# Altium PCB ReboostV2.PcbDoc (part 2 of 2) (continued)
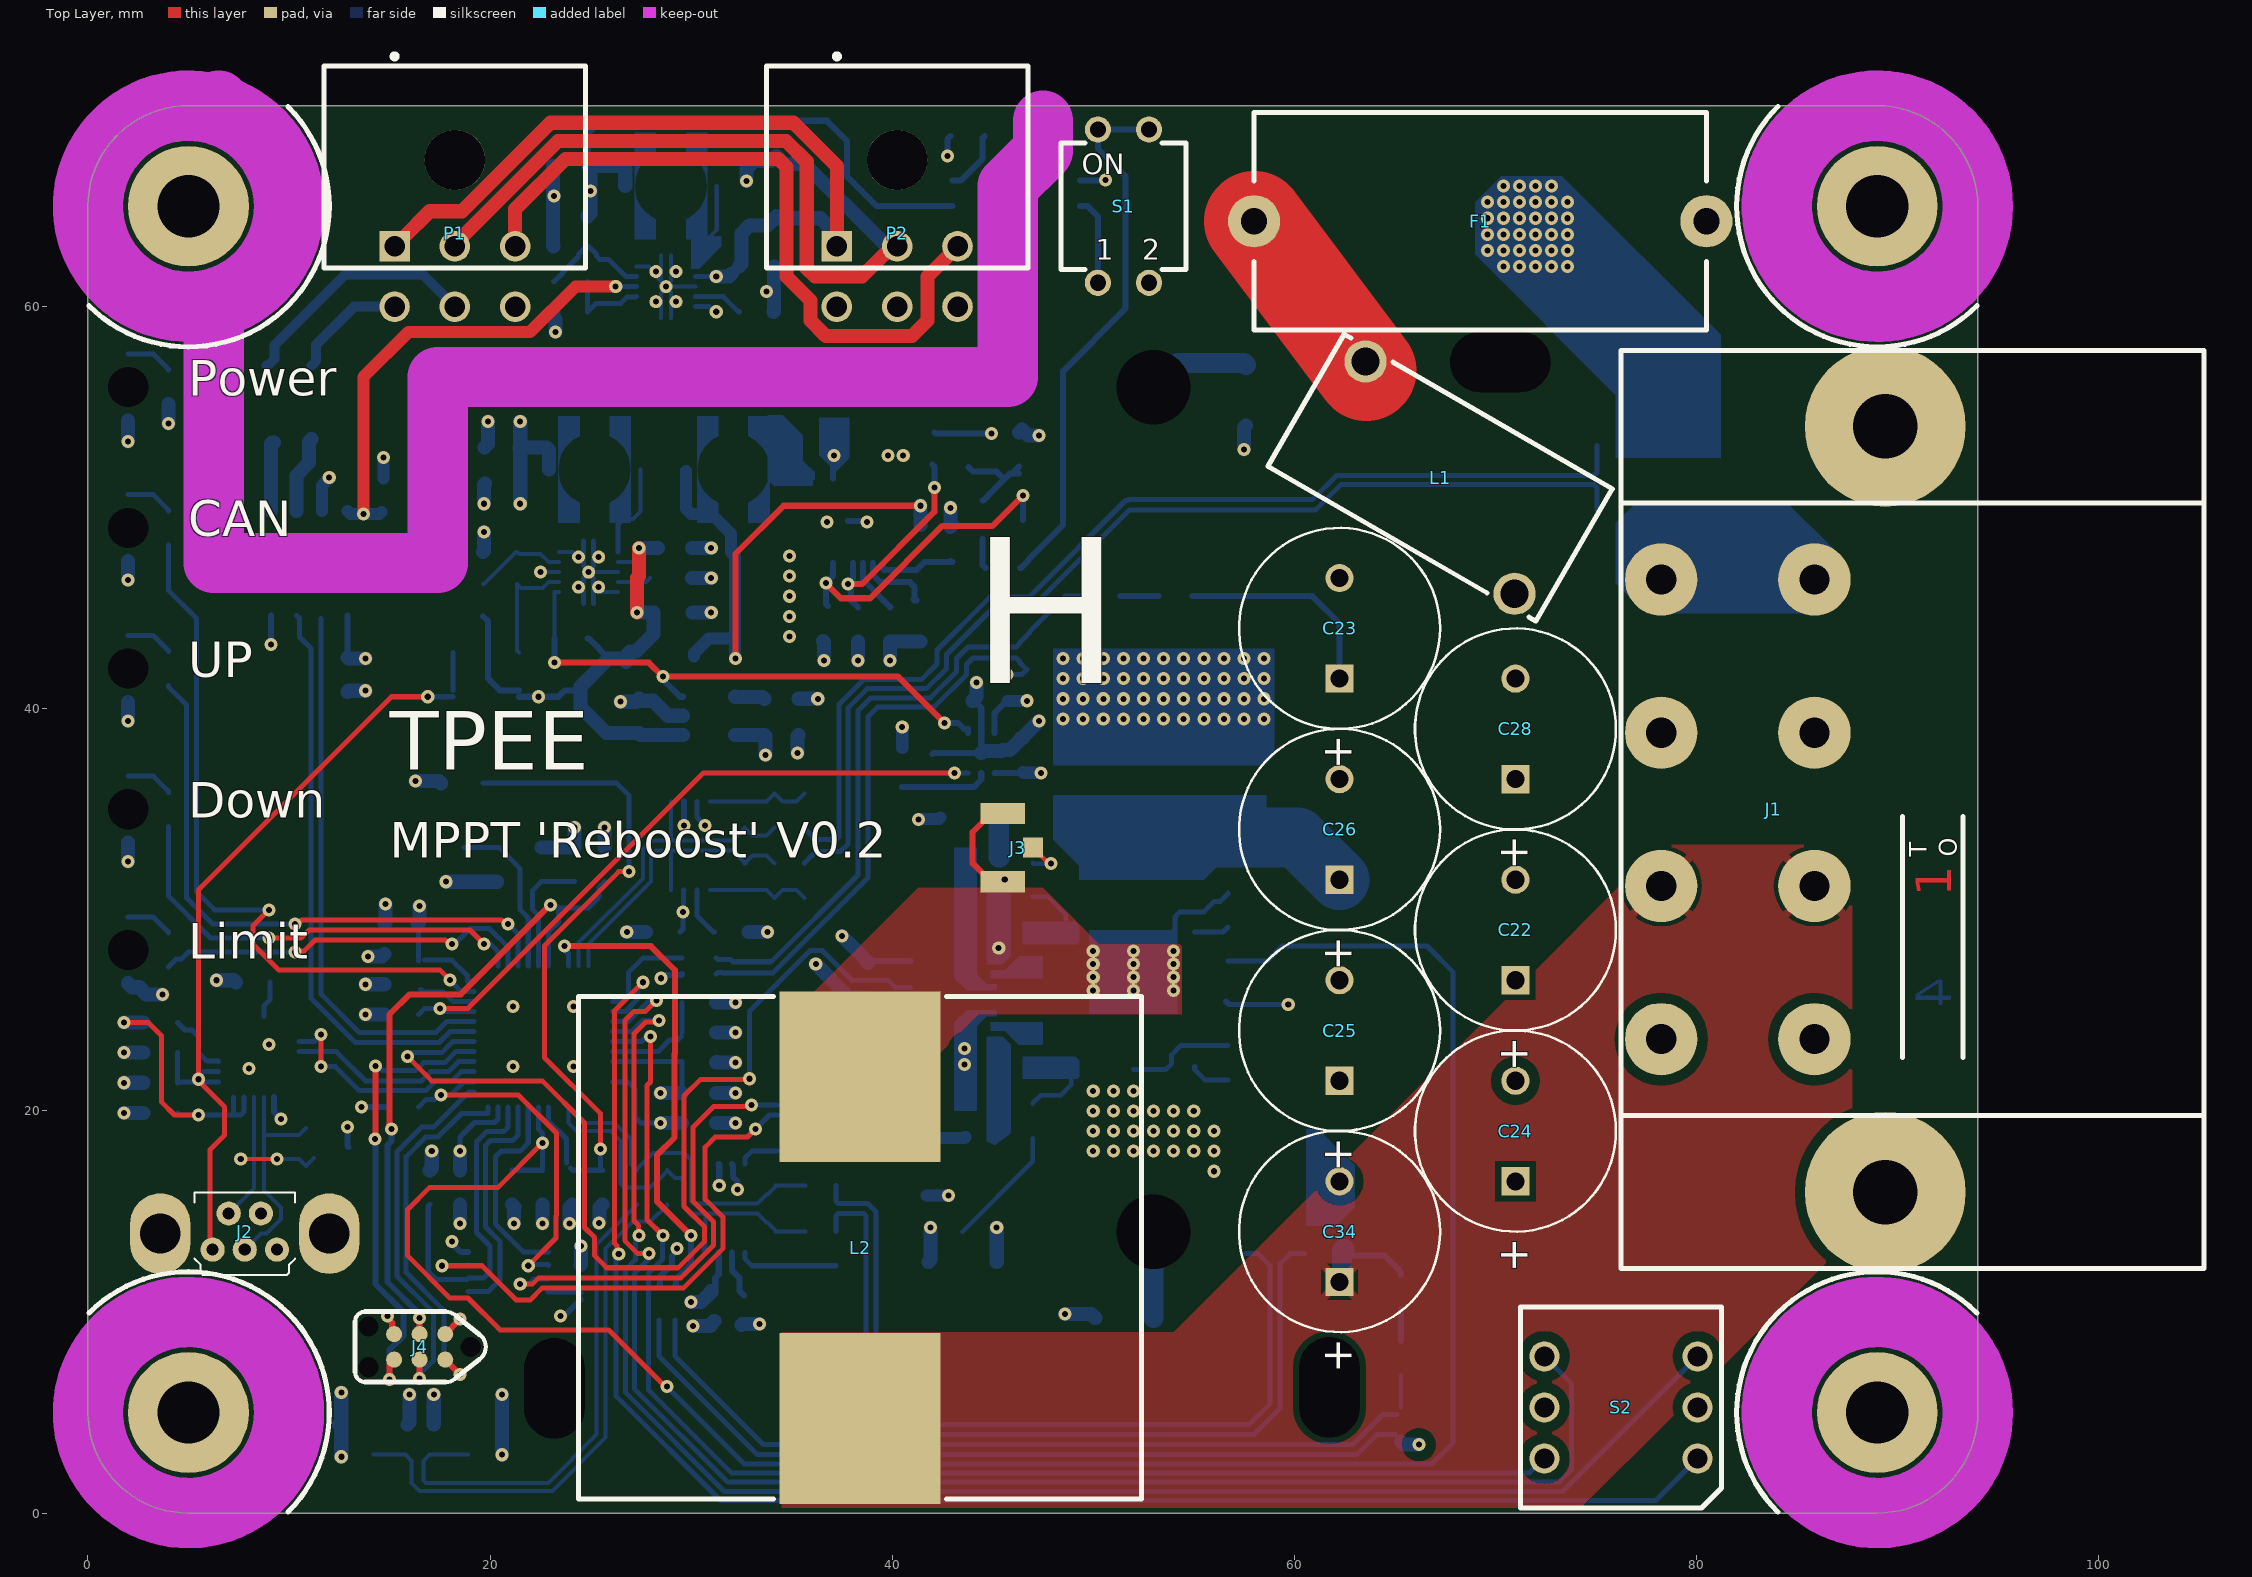
[diagram p0: Top Layer view]
## Nets (pads, with @x,y where several pads share a name; then routed paths per layer and width w, separated by ;. In a path a pad name is that pad's centre, name@x,y a point inside that pad or via, vN(x,y) a via of type N, cw(c..) or ccw(c..) an arc to the next point about the centre after c; other vN are vias at no path point) (continued)
  Bottom Layer w1: C27.1@53,9.7 MP1.1@53,14
NetC29_1: C29.1 MP2.1 | length 3.4
  Bottom Layer w1: MP2.1@54.2,57.2 57.5,57.2 C29.1@57.6,57.1
NetC30_2: C30.2 C31.2 R25.1 U5.14
NetC40_2: C40.2 C61.2 R26.1 U5.10
NetC47_2: C47.2 U7.4@30.225,60.5 | length 2.5
  Bottom Layer w0.25: U7.4@30.225,60.5 31.6,60.5 32.35,59.75 C47.2@32.4,59.75
NetC51_2: C51.2 U8.10 | length 3.7
  Bottom Layer w0.3: U8.10@39.05,47.25 39.05,46.65 39.4,46.3 40.874,46.3 41.1,46.074 C51.2@41.1,45.4 ; C51.2@41.05,45.45 C51.2@41.1,45.4 ; C51.2@41.2,45.4 C51.2@41.1,45.4
NetC55_2: C55.2 U9.4@26.375,46.3 | length 1.7
  Bottom Layer w0.2: U9.4@26.375,46.3 27.75,46.3 C55.2@27.95,46.5
NetC57_2: C57.2 U10.4 | length 1.5
  Bottom Layer w0.7: U10.4@32.195,40.6 32.2,40.595 33.555,40.595 C57.2@33.65,40.5
NetD2_2: D2.2 R25.2 | length 2
  Bottom Layer w0.6: D2.2@41.7,18.6 41.75,18.65 43.6,18.65 R25.2@43.65,18.7
NetD3_2: D3.2 R26.2 | length 2.1
  Bottom Layer w1: D3.2@45.2,34.6 45.3,34.5 45.3,32.6 R26.2@45.35,32.6
NetD4_2: D4.2 R29.2 | length 3.1
  Bottom Layer w0.3: D4.2@43,66.27 43.404,66.27 44.5,67.366 44.5,68.4 R29.2@44.6,68.5
NetD4_4: D4.4 S1.1 | length 4.4
  Bottom Layer w0.3: D4.4@49.35,65 49.721,65 50.23,64.491 S1.1@50.23,61.19
NetD5_2: D5.2 R41.1 R42.2 U9.7 | length 5.7
  Bottom Layer w0.2: D5.2@21.435,42.8 21.35,42.885 R41.1@21.35,44.6 R42.2@21.35,46.2 21.55,46 22.619,46 22.919,46.3 U9.7@23.425,46.3
NetJ3_1: J3.1 R23.1 | length 2.2
  Top Layer w0.23: J3.1@47,33.1 47.8,32.3 v1(47.9,32.3)
  Bottom Layer w0.23: R23.1@47,32.35 47.05,32.3 v1(47.9,32.3)
NetJ5_1: J5.1 R46.1 | length 6.1
  Bottom Layer w0.23: J5.1@43.5,14 47,17.5 R46.1@47,18.65
NetJ6_1: J6.1 R51.1 | length 27.4
  Bottom Layer w0.2: J6.1@14.2,2.9 15.3,2.9 15.8,2.9 16.1,2.6 16.1,1.5 16.5,1.1 23.1,1.1 25.75,3.75 25.75,13.15 27.1,14.5 27.95,14.5 28.35,14.9 28.4,14.9 28.8,15.3 R51.1@28.8,15.35
NetJ7_1: J7.1 R52.1 | length 25.2
  Bottom Layer w0.2: J7.1@18.9,2.9 17,2.9 16.7,2.6 16.7,1.617 16.817,1.5 22.9,1.5 25.3,3.9 25.3,13.35 R52.1@27.3,15.35
NetL3_1: L3.1 U7.1 | length 4.4
  Bottom Layer w0.2: U7.1@30.225,62 30.225,62.525 30.7,63 30.7,63.25 31.275,63.825 L3.1@31.275,66
NetL4_1: L4.1 U8.1 | length 2
  Bottom Layer w0.2: L4.1@34.375,51.9 35.9,51.9 36.05,51.75 U8.1@36.05,51.45
NetL5_1: L5.1 U9.1 | length 5.2
  Bottom Layer w0.2: 26.638,49.438 27.1,49.438 27.475,49.813 L5.1@27.475,51.9
  Bottom Layer w0.25: U9.1@26.375,47.8 26.375,49.175 26.638,49.438 26.9,49.7
NetL6_1: L6.1 U6.5 | length 3.5
  Bottom Layer w0.7: U6.5@9.095,49.85 9.095,53.2 9.145,53.25 L6.1@9.25,53.25
NetL6_4: L6.4 U6.6 | length 3.9
  Bottom Layer w0.7: U6.6@10.365,49.85 10.365,51.615 11,52.25 11,53.3 L6.4@11.125,53.425
NetLED1_2: LED1.2 R1.1 | length 2.4
  Bottom Layer w0.25: LED1.2@2,57.65 3.25,57.65 4,56.9 R1.1@4,56.85
NetLED2_2: LED2.2 R2.1 | length 2.4
  Bottom Layer w0.25: LED2.2@2,50.65 3.25,50.65 4,49.9 R2.1@4,49.85
NetLED3_2: LED3.2 R3.1 | length 2.4
  Bottom Layer w0.25: LED3.2@2,36.65 3.25,36.65 4,35.9 R3.1@4,35.85
NetLED4_2: LED4.2 R4.1 | length 2.4
  Bottom Layer w0.25: LED4.2@2,29.65 3.25,29.65 4,28.9 R4.1@4,28.85
NetLED5_2: LED5.2 R5.1 | length 2.4
  Bottom Layer w0.25: LED5.2@2,43.65 3.25,43.65 4,42.9 R5.1@4,42.85
NetQ1_G1: Q1.G1 R24.2 | length 1.8
  Bottom Layer w0.25: Q1.G1@55.05,28.9 56.45,28.9 R24.2@56.7,29.15
NetQ1_G2: Q1.G2 R22.2 R23.2 | length 3
  Bottom Layer w0.23: R23.2@47,30.65 47.75,30.65 48.64,29.76 48.64,29.21 Q1.G2@48.95,28.9
NetQ2_G1: Q2.G1 R50.2 | length 2
  Bottom Layer w0.25: Q2.G1@55.05,22.2 55.05,22.05 55.55,21.55 R50.2@56.7,21.55
NetQ2_G2: Q2.G2 R27.2 R46.2 | length 3.1
  Bottom Layer w0.23: R46.2@47,20.35 47,20.4 47.385,20.785 48.385,20.785 48.915,21.315 48.915,22.065 Q2.G2@48.95,22.1
NetQ3_1: Q3.1 R38.1 | length 1.5
  Bottom Layer w0.3: Q3.1@44.5,48.45 44.5,47.15 R38.1@44.65,47
NetQ3_2: Q3.2 R34.1 R37.2 | length 4.6
  Bottom Layer w0.3: R34.1@43.8,52.025 44.025,51.8 45.2,51.8 45.5,51.5 ; Q3.2@44.5,50.35 44.525,50.35 44.825,50.65 44.825,50.675 45.575,51.425 45.85,51.7 46.05,51.7 R37.2@46.3,51.7 ; R37.2@46.05,51.8 R37.2@46.3,52.05
NetQ3_3: Q3.3 R39.2 U8.14 | length 15.7
  Top Layer w0.3: v1(36.7,46.25) 37.45,45.5 38.9,45.5 42.5,49.1 45,49.1 v1(46.5,50.6)
  Bottom Layer w0.3: R39.2@36.8,45.125 36.7,45.225 v1(36.7,46.25) 37.05,46.6 U8.14@37.05,47.25 ; Q3.3@46.5,49.4 v1(46.5,50.6)
NetR11_1: R11.1 U2.9 | length 3.3
  Bottom Layer w0.25: R11.1@4.45,24.4 4.825,24.025 5.175,24.025 5.5,23.7 5.5,22.9 5.925,22.475 6.475,22.475 U2.9@6.5,22.45
NetR12_VHS_1: R12_VHS.1 R13_VHS.2 | length 1.9
  Bottom Layer w0.3: R13_VHS.2@51.35,45.6 R12_VHS.1@53.25,45.6
NetR12_VLS_1: R12_VLS.1 R13_VLS.2 | length 1.6
  Bottom Layer w0.3: R13_VLS.2@65.3,8.55 R12_VLS.1@65.3,10.15
NetR15_1: R15.1 U3.46 | length 2.9
  Bottom Layer w0.25: R15.1@16.55,26.05 16.675,25.925 17.675,25.925 18.15,25.45 U3.46@19.2,25.45
NetR28_1: R28.1 R30.2 U7.7 | length 4.2
  Bottom Layer w0.25: R30.2@24.85,61.25 R28.1@24.85,59.75 25.25,60.15 26.477,60.15 26.817,60.49 27.265,60.49 U7.7@27.275,60.5
NetR30_1: R30.1 R31.2 U7.9 | length 5.6
  Bottom Layer w0.25: R30.1@23.15,61.25 23.2,61.25 23.6,61.65 23.6,61.7 24.4,62.5 24.4,62.6 24.8,63 24.9,63 25.3,62.6 25.3,62.513 25.463,62.35 25.9,62.35 26.75,61.5 U7.9@27.275,61.5
NetR32_1: R32.1 R35.2 U8.12 | length 10.8
  Top Layer w0.3: v1(37.8,46.208) 38.508,46.208 42.1,49.8 v1(42.1,51)
  Bottom Layer w0.3: U8.12@38.05,47.25 38.05,46.458 v1(37.8,46.208) 37.8,46.1 37.95,45.95 37.95,45.4 R35.2@38.3,45.05 ; v1(42.1,51) R32.1@42.1,52.05 ; R32.1@42.1,52.05 42,52.15 R32.1@42.1,52.05
NetR33_1: R33.1 R36.2 U8.9 | length 3.9
  Bottom Layer w0.3: U8.9@39.55,47.25 39.55,46.95 39.6,46.9 41.2,46.9 41.6,47.3 R36.2@43,47.3
NetR38_2: R38.2 S1.3 S1.4 | length 27.1
  Bottom Layer w0.3: R38.2@46.35,47 46.4,47 46.75,47.35 46.75,47.4 48.5,49.15 48.5,56.8 51.6,59.9 51.6,66.5 50.23,67.87 S1.4@50.23,68.81 S1.3@52.77,68.81
NetR40_2: R40.2 U8.11 | length 3.3
  Bottom Layer w0.3: U8.11@38.55,47.25 38.55,46.412 R40.2@39.906,45.056 ; R40.2@39.55,45.4 R40.2@39.9,45.05
NetR42_1: R42.1 R43.2 U9.9 | length 4.6
  Bottom Layer w0.2: R42.1@19.65,46.2 19.7,46.2 21.3,47.8 R43.2@21.35,47.8 21.45,47.7 22.519,47.7 22.919,47.3 U9.9@23.425,47.3
NetR47_1: R47.1 R48.2 U11.2 | length 4.4
  Bottom Layer w0.3: R47.1@40.5,36.105 44.049,36.105 44.43,36.486 U11.2@44.43,36.805
R\S\T\: J4.3 R14.2 U3.7 | length 33.7
  Top Layer w0.3: v1(15.1,19.1) 15,19.2 15,24.8 16,25.8 18.545,25.8 v1(22.995,30.25) ; J4.3@16.5,8.9 16.49,8.91 16.49,9.69 v1(16.5,9.7)
  Bottom Layer w0.25: U3.7@22.9,27.2 22.9,28.9 23.4,29.4 23.4,30.1 ; v1(22.995,30.25) 23.082,30.164 23.336,30.164 23.4,30.1 ; R14.2@25.7,31.4 25.421,31.121 25.421,30.621 24.9,30.1 23.4,30.1
  Bottom Layer w0.3: v1(15.1,19.1) 15.1,18.5 14.9,18.3 14.9,11.492 16.5,9.892 v1(16.5,9.7)
RX: U2.21 U3.40 | length 9.7
  Bottom Layer w0.25: U2.21@10.5,22.95 12.35,22.95 13.8,21.5 16.6,21.5 17.05,21.95 17.929,21.95 18.429,22.45 U3.40@19.2,22.45
S_IHS_N: R6_IHS.4 R7_IHS.1 | length 52.8
  Bottom Layer w0.25: R7_IHS.1@35.65,32.3 35.65,32.35 36.025,32.725 36.075,32.725 36.25,32.9 37.431,32.9 37.81,33.278 37.81,40.046 38.764,41 41.7,41 42.7,42 42.7,42.7 44.791,44.791 44.797,44.791 45.097,45.09 47.004,45.09 47.273,45.36 47.273,45.373 51.8,49.9 54.317,49.9 56.717,49.9 57.992,49.9 61.066,49.9 62.316,51.15 74.904,51.15 75.05,51.004 R6_IHS.4@75.05,49.9
S_IHS_P: R6_IHS.3 R9_IHS.1 | length 52.9
  Bottom Layer w0.25: R9_IHS.1@35.65,34.1 35.65,34.05 36.025,33.675 36.075,33.675 36.25,33.5 37.213,33.5 37.36,33.646 37.36,40.232 38.577,41.45 41.45,41.45 42.225,42.225 42.225,42.925 44.55,45.25 44.85,45.55 46.814,45.55 46.814,45.564 51.61,50.36 51.703,50.36 51.743,50.4 54.317,50.4 56.5,50.4 60.9,50.4 62.1,51.6 74.9,51.6 75.05,51.75 R6_IHS.3@75.05,53.1
S_ILS_N: R6_ILS.4 R7_ILS.1 | length 42.1
  Bottom Layer w0.25: R7_ILS.1@37.2,14 37.2,14.783 37.317,14.9 38.583,14.9 38.7,14.783 38.7,5.428 40.228,3.9 57.972,3.9 59.3,5.228 59.3,12.4 59.8,12.9 R6_ILS.4@60.5,12.9
S_ILS_P: R6_ILS.3 R9_ILS.1 | length 41.2
  Bottom Layer w0.25: R9_ILS.1@37.2,16.3 37.2,15.517 37.317,15.4 38.79,15.4 39.2,14.99 39.2,5.635 40.435,4.4 57.765,4.4 58.8,5.435 58.8,12.3 58.2,12.9 R6_ILS.3@57.6,12.9
SHLD1: P1.3 P2.3 | length 35.4
  Top Layer w0.7: P1.3@21.25,63 21.25,64.85 23.75,67.35 34.34,67.35 34.75,66.94 34.75,61.5 35.94,60.31 35.94,59.31 36.698,58.552 40.995,58.552 41.75,59.306 41.75,61.5 P2.3@43.25,63
SHLD2: P1.6 P2.6 | length 52.3
  Layer 1 w0.7: P1.6@21.25,60 19.94,58.69 14.56,58.69 13.5,59.75 13.5,64.84 13.91,65.25 17.401,65.25 19.099,65.25 20.3,66.451 20.3,67.573 21.877,69.15 35.713,69.15 37.25,67.613 37.25,65.75 38.611,64.389 38.611,61.911 39.021,61.5 41.75,61.5 P2.6@43.25,60
SWCLK: J4.4 U3.37 | length 18.3
  Top Layer w0.3: v1(16.5,6.7) J4.4@16.5,7.63
  Bottom Layer w0.25: v1(16.5,6.7) 16.5,6.9 17.175,7.575 17.175,9.98 15.375,11.78 15.375,17.975 16.6,19.2 17.2,19.2 18.95,20.95 U3.37@19.2,20.95
SWDIO: J4.2 U3.36 | length 18.3
  Top Layer w0.3: J4.2@17.77,7.63 v1(18.5,6.9)
  Bottom Layer w0.25: v1(18.5,6.9) 17.7,7.7 17.7,10.091 15.825,11.966 15.825,17.725 16.8,18.7 17.4,18.7 18.575,19.875 19.9,19.875 U3.36@19.9,20.2
SWO: J4.6 U3.41 | length 22.9
  Top Layer w0.3: v1(14.274,18.613) 14.3,18.639 v1(14.3,22.225) ; v1(15,6.65) 15,7.4 J4.6@15.23,7.63
  Bottom Layer w0.25: v1(14.3,22.225) 14.422,22.225 14.647,22 16.3,22 16.7,22.4 17.743,22.4 18.293,22.95 U3.41@19.2,22.95
  Bottom Layer w0.3: v1(14.274,18.613) 14.3,18.587 14.3,11.385 15.7,9.985 15.7,8.824 15,8.124 v1(15,6.65)
Tamb: C21.2 R19.1 R21.2 U3.30 | length 34.3
  Top Layer w0.25: v1(25.5,18.1) 25.5,19.861 22.7,22.661 22.7,28.2 26.4,31.9 v1(26.9,31.9)
  Bottom Layer w0.25: R21.2@19.65,36.3 26.3,36.3 26.9,35.7 v1(26.9,31.9) ; U3.30@22.9,20.2 22.9,19.5 23.8,18.6 C21.2@23.8,17.4 ; C21.2@24,17.15 C21.2@24.1,17.05 25.5,17.05 R19.1@25.6,17.05 25.5,17.15 v1(25.5,18.1) v1@25.35,18.1
Tsink: C20.2 R18.1 R20.2 U3.31 | length 107.3
  Top Layer w0.25: v1(22.6,18.4) 20.4,16.2 17,16.2 15.9,15.1 15.9,12.8 18,10.7 18.9,10.7 20.5,9.1 25.9,9.1 28.71,6.29 v1(28.79,6.29)
  Bottom Layer w0.25: R18.1@21.1,17.05 C20.2@22.6,17.05 v1(22.6,18.4) 22.6,18.9 22.4,19.1 22.4,19.375 U3.31@22.4,20.2 ; v1(28.79,6.29) 32.631,2.45 66.85,2.45 67.9,3.5 67.9,26.9 66.6,28.2 59.4,28.2 58.65,27.45 R20.2@56.7,27.45
TX: U2.20 U3.39 | length 11.3
  Top Layer w0.25: v1(11.6,22.2) v1(11.6,23.8)
  Bottom Layer w0.25: U2.20@10.5,23.45 11.25,23.45 v1(11.6,23.8) ; v1(11.6,22.2) 12.3,22.2 13.475,21.025 16.825,21.025 17.3,21.5 18.116,21.5 18.566,21.95 U3.39@19.2,21.95
V_VHS_P: L7_VHS.1 R13_VHS.1 R49_VHS.1 | length 31.2
  Bottom Layer w0.25: L7_VHS.1@31.25,27.6 31.325,27.525 31.973,27.525 32.079,27.419 33.983,27.419 38.3,31.736 38.3,39.9 38.95,40.55 41.9,40.55 43.2,41.85 43.2,42.5 43.775,43.075 46.179,43.075 46.325,43.221 46.325,43.275 R49_VHS.1@46.7,43.65 46.825,43.775 46.825,43.825 48.6,45.6 R13_VHS.1@49.65,45.6
V_VLS_P: L7_VLS.1 R13_VLS.1 R49_VLS.1 | length 41.7
  Bottom Layer w0.2: R49_VLS.1@65.3,5.25 R13_VLS.1@65.3,6.85
  Bottom Layer w0.25: L7_VLS.1@29.2,9.6 29.2,7.8 33.6,3.4 62.9,3.4 64.4,4.9 R49_VLS.1@65.1,4.9
Vb: C22.1 C23.1 C24.1 C25.1 C26.1 C28.1 C32.2 C33.2 C36.2 C37.2 C38.2 L1.2 Q1.D R12_VHS.2 | length 18.9
  Bottom Layer w0.3: R12_VHS.2@54.95,45.6 60.9,45.6 62.25,44.25 C23.1@62.25,41.5
  Bottom Layer w3: 54.8,33.6 60.15,33.6 C26.1@62.25,31.5
Vcan: C43.2 C44.2 P1.1 P2.1 R28.2 U7.2@30.225,61.5 | length 49.7
  Top Layer w0.7: P1.1@15.25,63 15.66,63.41 17,64.75 18.604,64.75 23.004,69.15 35.086,69.15 37.25,66.986 P2.1@37.25,63
  Layer 1 w0.3: v1(23.25,58.75) 29.15,58.75 31.25,60.85 v1(31.25,61.5)
  Bottom Layer w0.25: U7.2@30.225,61.5 v1(31.25,61.5)
  Bottom Layer w0.7: R28.2@23.15,59.75 23,59.6 23.25,59.35 v1(23.25,58.75) ; v1(31.25,61.5) 31.875,61.5 C43.2@32.025,61.65 ; C43.2@32.375,62 32.5,62.125 32.5,63.64 32.91,64.05 33.8,64.05 C44.2@34.25,64.5 34.35,64.4 36.43,64.4 36.84,63.99 36.84,63.41 P2.1@37.25,63
Vdd: C9.2 C16.2 C17.2 C18.2 C19.2 C39.2 C41.2 C53.2 C54.2 J4.1 L5.2 R1.2 R14.1 R18.2 R19.2 R45.1 U3.23 U3.35 U3.48 U4.8 U5.7 U6.1 U9.8 | length 39.9
  Top Layer w0.3: J4.1@17.77,8.9 18.5,9.63 v1(18.5,9.65)
  Layer 1 w0.7: 27.2,19.4 v1(28.475,19.4)
  Bottom Layer w0.2: v1(22.5,46.8) U9.8@23.425,46.8
  Bottom Layer w0.25: C17.2@16.45,27.45 C17.2@16.45,27.8 C39.2@16.45,28.95 ; C17.2@16.75,27.5 18.1,27.5 18.875,26.725 18.875,26.45 U3.48@19.2,26.45 ; v1(18.5,18) 18.5,18.7 19.225,19.425 20.225,19.425 20.4,19.6 U3.35@20.4,20.2 ; U3.23@26.1,21.45 26.85,21.45 27.2,21.1 27.2,19.7 27.5,19.4 v1(28.475,19.4)
  Bottom Layer w0.3: C19.2@12.9,42.55 12.905,42.555 U6.1@12.905,44.65 ; U4.8@22.9,11.025 24.425,11.025 C9.2@24.5,10.95 ; v1(23.5,9.8) 23.7,9.8 24.5,10.6 C9.2@24.5,10.65 ; C18.2@38.8,27.35 38.9,27.45 U5.7@40.9,27.45
  Bottom Layer w0.7: v1(4,54.2) R1.2@4,55.15 ; C19.2@12.9,42.55 12.95,42.5 v1(13.8,42.5) ; v1(13.8,24.8) R45.1@14.75,24.8 ; C39.2@16.45,29.3 16.4,29.35 16.5,29.45 v1(16.5,30.2) ; C16.2@18.5,17.05 v1(18.5,18) ; R18.2@21.1,15.35 21.225,15.225 21.2,15.2 v1(21.2,14.4) ; C53.2@21.475,53 C53.2@21.5,53 ; v1(21.5,50.2) 21.5,51.2 C53.2@21.5,53 ; v1(21.5,54.3) C53.2@21.5,53 ; L5.2@22.925,51.9 22.925,52.875 22.8,53 C53.2@21.5,53 ; v1(25.427,14.427) 25.45,14.45 25.45,15.2 R19.2@25.6,15.35 ; R14.1@25.7,33.1 v1(25.7,34.1) ; v1@28.5,19.4 C41.2@29.55,19.4 ; v1(37.5,28.7) 38.8,27.4 C18.2@38.8,27.35
VDD_CP: C8.2 R11.2 U2.5 U2.6 | length 13.5
  Top Layer w0.25: v1(1.8,24.4) 3,24.4 3.65,23.75 3.65,20.45 4.3,19.8 v1(5.5,19.8)
  Bottom Layer w0.25: C8.2@4.45,19.9 4.55,19.8 v1(5.5,19.8) 7.25,19.8 ; U2.6@7.25,20.7 7.25,19.8 ; U2.5@7.75,20.7 7.75,19.95 7.6,19.8 7.25,19.8
  Bottom Layer w0.7: v1(1.8,24.4) R11.2@2.75,24.4
Vdda: C2_IHS.2 C2_ILS.2 C12.2 C13.2 C58.2 U1_IHS.3 U1_IHS.7 U1_ILS.3 U1_ILS.7 U3.21 U10.5 | length 16.5
  Bottom Layer w0.25: U3.21@26.1,22.45 C12.2@29.55,22.45 ; C2_IHS.2@29.45,28.9 29.6,29.05 v1(29.6,29.9) 29.623,29.923 29.623,30.978 U1_IHS.3@29.645,31 ; C2_ILS.2@29.55,20.9 C12.2@29.55,22.4 ; U1_IHS.7@30.295,35.4 30.295,34.605 v1(30.7,34.2)
  Bottom Layer w0.3: C58.2@31.2,11.2 31.2,11.7 31.375,11.875 U1_ILS.3@31.375,12.95 ; U1_ILS.7@32.025,17.35 32.08,17.295 32.08,16.728 32.3,16.508 v1(32.3,16.1)
  Bottom Layer w0.7: v1(28.475,20.9) C2_ILS.2@29.55,20.9 ; v1(30,10.5) 30.5,10.5 31,11 C58.2@31,11.05 ; U10.5@32.195,38.7 C13.2@33.65,38.7 33.7,38.65 v1(33.7,37.7)
VDDPG: R44.1 U9.6 U10.3 U11.4 | length 27.4
  Top Layer w0.3: v1(23.2,42.3) 27.9,42.3 v1(28.6,41.6) 40.3,41.6 v1(42.6,39.3)
  Bottom Layer w0.2: R44.1@23.2,43.5 23.2,45.79 23.21,45.8 U9.6@23.425,45.8
  Bottom Layer w0.3: v1(23.2,42.3) R44.1@23.2,43.5 ; v1(28.6,41.6) 28.6,41.455 29.455,40.6 U10.3@29.605,40.6 ; v1(42.6,39.3) 43.275,39.3 43.58,38.995 43.78,38.995 U11.4@43.78,38.795
Vdds: C52.2 C60.2 C63.2 D6.2 D7.2 R41.2 R44.2 U9.2@26.375,47.3 U10.1 | length 29.1
  Top Layer w0.7: v1(27.3,44.8) 27.3,46.5 27.4,46.6 v1(27.4,48)
  Bottom Layer w0.2: U9.2@26.375,47.3 27.1,47.3 27.314,47.514 27.314,47.914 v1(27.4,48)
  Bottom Layer w0.3: R41.2@19.65,44.6 19.9,44.35 19.9,41.5 20.5,40.9 D7.2@21.435,40.9 ; D7.2@21.435,40.6 v1(22.4,40.6) 23.4,40.6 23.7,40.9 24.2,40.9 24.5,40.6 ; R44.2@24.85,43.5 24.9,43.5 25.9,42.5
  Bottom Layer w0.7: D6.2@26.76,42.34 26.865,42.445 D6.2@26.865,42.6 26.865,42.755 26.97,42.86 27.26,42.86 28.125,43.725 28.125,44.8 v1(27.3,44.8) ; D6.2@26.8,42.5 25.9,42.5 24.5,41.1 24.5,40.6 24.5,40.1 25.8,38.8 27.25,38.8 C63.2@27.4,38.8 27.495,38.705 29.6,38.705 U10.1@29.605,38.7 ; v1(27.4,48) C60.2@28.35,48
Vdrv: C56.2 D2.1 D3.1 R47.2 U11.1 | length 40.1
  Layer 1 w0.3: v1(40.5,39.1) 41.6,38 46.7,38 47.3,37.4 v1@47.3,36.8
  Layer 1 w0.6: v1(42.8,15.8) 41.851,15.8 41.5,16.151 41.5,34.3 41.7,34.5 43.1,34.5 45.4,36.8 v1@47.3,36.8
  Bottom Layer w0.3: U11.1@45.08,36.805 46.355,36.805 C56.2@46.4,36.85
  Bottom Layer w0.6: R47.2@40.5,38.05 v1(40.5,39.1) ; v1(41.3,34.5) 41.319,34.519 42.319,34.519 D3.1@42.4,34.6 ; D2.1@41.7,15.8 v1(42.8,15.8) ; C56.2@46.5,36.85 46.531,36.819 47.381,36.819 v1(47.4,36.8)
VDRVPG: R45.2 U3.45 U11.3 | length 34.1
  Top Layer w0.25: v1(17.5,25.1) 18.9,25.1 30.605,36.805 v1(43.1,36.805)
  Bottom Layer w0.25: R45.2@16.45,24.8 16.75,25.1 v1(17.5,25.1) 17.622,25.1 17.772,24.95 U3.45@19.2,24.95 ; v1(43.1,36.805) U11.3@43.78,36.805
VHN: J1.4 R6_IHS.2
VHP: F1.2 J1.3
VHPF: C64.2 F1.1 L1.1 R32.2 R34.2 U8.3 | length 41.8
  Top Layer w5: F1.1@58,64.25 63.343,57.128 L1.1@63.584,56.806
  Layer 1 w0.5: v1(37.1,52.6) 38.2,53.7 38.8,54.3 44.9,54.3 ; v1(44.95,53.7) 44.95,54 44.95,54.3 46.308,54.3 47.9,55.892 47.9,57.9 49.79,59.79 53.35,59.79 53.36,59.8 55.2,59.8 58,62.6 F1.1@58,64.25
  Bottom Layer w0.2: 37.05,52.15 37,52.2 37.004,52.204 37.004,52.504 v1(37.1,52.6)
  Bottom Layer w0.3: U8.3@37.05,51.45 37.05,52.15 ; R32.2@42.1,53.75 42.15,53.7 v1(44.95,53.7)
VHS: L7_VHS.2 U3.15 | length 5
  Bottom Layer w0.25: U3.15@26.1,25.45 26.598,25.45 26.875,25.727 26.875,26.875 27.6,27.6 L7_VHS.2@29.55,27.6
VLN: C34.2 C35.1 J1.1 R6_ILS.2
VLP: C34.1 C35.2 J1.2 L2.2 R12_VLS.2 | length 4.7
  Bottom Layer w0.3: C35.2@62.9,12.8 64.5,12.8 65.3,12 R12_VLS.2@65.3,11.85
  Bottom Layer w1: C34.1@62.25,11.5 62.375,11.625 62.375,13.075 62.425,13.125 C35.2@62.5,13.125
VLS: L7_VLS.2 U3.9 | length 24.2
  Top Layer w0.3: v1(23.7,28.2) 28,28.2 29.2,27 29.2,22.85 29.175,22.825 29.175,18.675 28.3,17.8 28.3,15.5 v1(30,13.8)
  Bottom Layer w0.25: v1(23.7,28.2) 23.7,28.028 23.9,27.828 U3.9@23.9,27.2
  Bottom Layer w0.3: L7_VLS.2@29.2,11.3 29.25,11.35 29.25,11.65 30,12.4 v1(30,13.8)
Vreg: C48.2 C49.2 C50.2 C59.2 D6.1 L4.2 R33.2 U11.6 | length 48
  Top Layer w0.3: v1(32.2,42.5) 32.2,47.7 34.6,50.1 v1(41.4,50.1)
  Layer 1 w0.6: v1(32.2,42.5) 33.2,41.5 38.7,41.5 39.8,40.4 v1(46.7,40.4)
  Bottom Layer w0.3: U11.6@45.08,38.795 45.08,39.78 45.7,40.4 C59.2@45.75,40.4
  Bottom Layer w0.6: L4.2@29.75,51.825 29.75,49.95 30,49.7 31,49.7 31.976,48.724 31.976,47.799 C48.2@32.175,47.6 C49.2@32.175,43.6 ; D6.1@30.135,42.6 30.135,42.755 30.88,43.5 32.075,43.5 C49.2@32.175,43.6 ; v1(32.2,42.5) 32.188,42.513 32.188,43.588 C49.2@32.175,43.6 ; C59.2@45.75,40.4 v1(46.7,40.4)
  Bottom Layer w0.7: R33.2@41.4,49.15 v1(41.4,50.1)
Vusb: C5.2 C6.2 D5.1 D7.1 J2.1 U2.7 U2.8 | length 42.2
  Top Layer w0.25: J2.1@6.2,13.1 6.075,13.225 6.075,18.075 6.8,18.8 6.8,20.2 5.5,21.5 5.5,31 15.1,40.6 v1@16.864,40.6
  Bottom Layer w0.25: C6.2@4.45,22.9 C5.2@4.45,21.4 4.5,21.45 v1@5.5,21.45 ; U2.7@6.5,21.45 v1@5.5,21.45 ; U2.8@6.5,21.95 5.75,21.95 5.5,21.7 v1(5.5,21.575) v1@5.5,21.45 ; v1(16.9,40.6) D7.1@18.165,40.6 ; D7.1@18.165,40.9 D5.1@18.165,42.8
pads on no net: J2.4 J4.- LED1. LED2. LED3. LED4. LED5. P1.MH1 P2.MH1 U2.1 U2.10 U2.11 U2.12 U2.13 U2.14 U2.15 U2.17 U2.18 U2.19 U2.22 U2.23 U2.24 U3.1 U3.8 U3.12 U3.13 U3.14 U3.22 U3.24 U3.25 U3.26 U3.29 U5.1 U5.6 U5.11 U7.2@28.35,60.425 U7.2@28.35,61.575 U7.2@29.15,60.425 U7.2@29.15,61.575 U7.3@28.5,59.45 U7.3@28.5,62.55 U7.4@29,59.45 U7.4@29,62.55 U7.6 U8.5 U9.2@24.5,46.225 U9.2@24.5,47.375 U9.2@25.3,46.225 U9.2@25.3,47.375 U9.3@24.65,45.25 U9.3@24.65,48.35 U9.4@25.15,45.25 U9.4@25.15,48.35

## Polygon pours and split planes (outlines as drawn)
GND on Bottom Layer "GND_L04_P003" (solid, pour order 3): 39.4,54.7 39.4,52.95 38.55,52.1 38.55,50.2 36.4,50.2 34.55,48.35 33.8,48.35 33.55,48.1 33.518,43.1 35.05,43.1 35.4,43.45 35.4,46.2 36.15,46.95 36.15,48.2 36.55,48.6 39.55,48.6 40.9,49.95 40.9,54.7
GND on Bottom Layer "GND_L04_P000" (solid, pour order 0): 53.7,22.3 57.5,18.5 58,18.5 58,13.5 50.5,13.5 49.5,14.5 49.5,21.5 50.3,22.3
CGND on Layer 2 "CGND_L03_P004" (solid, pour order 4): 47.5,70 5,70 5,47.25 19,47.25 19,56.75 47.5,56.75
GND on Layer 2 "GND_L03_P002" (solid, remove dead copper, pour order 2): 93.75,70 93.75,0 0,0 0,70
Vdda on Layer 1 "VDDA_L02_P005" (solid, pour order 5): 34.4,39.2 34.4,37 32.8,35.4 32.8,10.5 32.3,10 29.9,10 27.8,12.1 27.8,35.6 31.7,39.5 34.1,39.5
Vdd on Layer 1 "VDD_L02_P011" (solid, pour order 11): 25.021,41 23.521,42.5 23.521,54.7 19,54.7 19,46.7 17.8,45.5 8.3,45.5 8.3,55.3 3.3,60.3 -0.3,60.3 -1.6,59 -1.6,0.1 -0.1,-1.4 41,-1.4 42.1,-0.3 42.1,37.9 39,41
VLN on Layer 1 "VLN_L02_P010" (solid, pour order 10): 86.241,26.009 72.009,26.009 72.009,17.7 60.95,17.7 59,15.75 59,-0.25 87.75,-0.25 87.75,24.5
Vb on Layer 1 "VB_L02_P007" (solid, pour order 7): 72.75,46.75 72.75,15.5 71.75,14.5 66.75,14.5 58.75,22.5 58.75,45.75 61.5,48.5 71,48.5
VHP on Layer 1 "VHP_L02_P006" (solid, pour order 6): 87,37 77.25,37 74,40.25 74,60 79.75,65.75 81.25,65.75 85,62 85,54.5 89,50.5 89,39
HSS on Top Layer "HSS_L01_P009" (solid, pour order 9): 54.3,28.3 50.3,28.3 47.5,31.1 41.3,31.1 34.5,24.3 34.5,17.9 42.3,17.9 42.2,18 42.2,22.7 44.3,24.8 54.4,24.8 54.4,28.2
VLP on Top Layer "VLP_L01_P008" (solid, pour order 8): 86.5,33.25 78.25,33.25 54,9 34.5,9 34.5,0 74,0 87.75,13.75 87.75,32

## Keep-outs
Keep-Out Layer:
  circle w3.5: c5,5 r5
  circle w3.5: c5,65 r5
  circle w3.5: c89,65 r5
  circle w3.5: c89,5 r5
  lines w3: 5.25,60 6.25,59 6.25,47.25 17.4,47.25 17.4,56.5 45.75,56.5 45.75,66 47.5,67.75 47.5,69.25 ; 6.5,70.25 9,67.75

## Other copper
Top Layer:
  pour cut-out: 93.25,24.65 93.25,32.65 90.25,32.65 90.25,24.65
  text "1" at 93.25,30.65 h3 r90
Layer 1:
  text "2" at 93.25,28.65 h3 r90
Layer 2:
  pour cut-out: 90.25,24.65 93.25,24.65 93.25,32.65 90.25,32.65
  region net HSS: 50.2,25.9 43.8,25.9 43.1,26.6 43.1,32.6 43.5,33 47.3,33 47.3,31.6 50.3,28.6 50.3,26
  text "3" at 93.25,28.65 h3 r90
Bottom Layer:
  rectangle net HSS: 49.8,24.8 54.2,29
  pour cut-out: 90.25,24.65 93.25,24.65 93.25,32.65 90.25,32.65
  region net GND: 76,55.6 69,62.6 69,65.2 70.3,66.5 73.3,66.5 81.2,58.6 81.2,52.5 76,52.5
  region net VLN: 62.1,14.3 63,15.2 63,17.3 61.2,19.1 60.6,19.1 60.6,14.3
  region net GND: 48,37.2 48,43 59,43 59,37.7 58.5,37.2
  region net Vb: 48,35.7 48,33.5 49.3,32.2 49.3,31.5 55.5,31.5 58.6,34.6 58.6,35.7
  region net NetC30_2: 44.7,23.7 44.7,18.5 45.1,18.3 45.9,18.9 45.9,23.3 45.5,23.7
  region net GND: 44.2,20 44.2,24.2 44.7,24.7 45.2,24.7 45.2,25 43.7,25 43.1,24.4 43.1,20
  region net LSG: 44.9,24 45.6,24 46.3,23.3 47.5,23.3 47.5,24.4 44.9,24.4
  region net NetQ2_G2: 46.5,21.6 49.2,21.6 49.3,21.7 49.3,22.5 49.1,22.7 46.5,22.7
  region net HSS: 44.7,27.3 44.7,31.7 44.8,31.8 45.7,31.8 45.9,31.6 45.9,27.7 45.5,27.3
  region net NetC40_2: 44.2,33.1 44.2,26.8 44.7,26.3 45.2,26.3 45.2,26 43.7,26 43.1,26.6 43.1,33.1
  region net NetQ1_G2: 46.5,28.3 49.2,28.3 49.3,28.4 49.3,29.2 49.1,29.4 46.5,29.4
  region net HSG: 44.9,27 45.6,27 46.3,27.7 47.5,27.7 47.5,26.6 44.9,26.6
  region net VHN: 84.5,50.25 86.75,48 86.75,45.5 86,44.75 77.5,44.75 76,46.25 76,49.25 77,50.25
  region net NetL3_1: 30,61.9 30,63.5 31.5,63.5 31.5,63 30.4,61.9
  region net NetL4_1: 36.05,51.85 35.55,52.35 35.55,53.6 34.55,54.6 33.8,54.6 33.8,51.4 34.1,51.1 36.05,51.1
  region net VHPF: 37.875,54.475 37.875,52.475 37.2,51.8 36.375,52.624 36.375,54.475
  text "4" at 93.25,26.65 h3 r90

## Silkscreen, mask and mechanical layers (free items; w line width, h text height)
Top Overlay:
  lines w0.25: 90.25,22.65 90.25,34.65 ; 93.25,22.65 93.25,34.65
  lines w0.254: 0.05,9.95 cw(c5,5) 9.95,0.05 ; 0.05,60.05 ccw(c5,65) 9.95,69.95 ; 84.05,0.05 cw(c89,5) 93.95,9.95 ; 84.05,69.95 ccw(c89,65) 93.95,60.05
  text "Power" at 5,55 h3
  text "CAN" at 5,48 h3
  text "UP" at 5,41 h3
  text "H" at 43.9,38.4 h15
  text "TPEE" at 15,36 h5
  text "Down" at 5,34 h3
  text "T / O" at 93.25,32.65 h1.5 r90
  text "MPPT 'Reboost' V0.2" at 15,32.032 h3
  text "Limit" at 5,27 h3
Bottom Overlay:
  lines w0.25: 67.7,69.3 67.75,57.5 ; 72.75,57.5 72.8,69.3
  lines w0.254: 23.2,3.7 61.7,3.8 ; 23.2,8.75 61.8,8.75 ; 48,19.373 58,19.373 ; 48,33.373 58,33.373 ; 48,10 58,10 58,60 48,60 48,10
  text "B / O" at 93.25,24.65 h1.5 r90
  text "H" at 59.15,19.1 h20 r270
Top Solder:
  region: 104.15,33.35 101.15,33.35 101.15,25.35 104.15,25.35
Bottom Solder:
  region: 104.15,33.35 101.15,33.35 101.15,25.35 104.15,25.35
Board:
  the board outline again, w0.5

## Text inside footprints (layer, text, board x,y; h text height)
C22: Top Overlay "+" at 70.3,23.7 h1.5 r270
C23: Top Overlay "+" at 61.55,38.7 h1.5 r270
C24: Top Overlay "+" at 70.3,13.7 h1.5 r270
C25: Top Overlay "+" at 61.55,18.7 h1.5 r270
C26: Top Overlay "+" at 61.55,28.7 h1.5 r270
C28: Top Overlay "+" at 70.3,33.7 h1.5 r270
C34: Top Overlay "+" at 61.55,8.7 h1.5 r270
S1: Top Overlay "2" at 52.43,62.33 h1.02; Top Overlay "ON" at 49.43,66.59 h1.02; Top Overlay "1" at 50.13,62.33 h1.02; Mechenical 13 "1" at 50.13,62.33 h1.02; Mechenical 13 "ON" at 49.43,66.59 h1.02; Mechenical 13 "2" at 52.43,62.33 h1.02